# Altium PCB SFPP.PcbDoc (part 1 of 4) (continued)
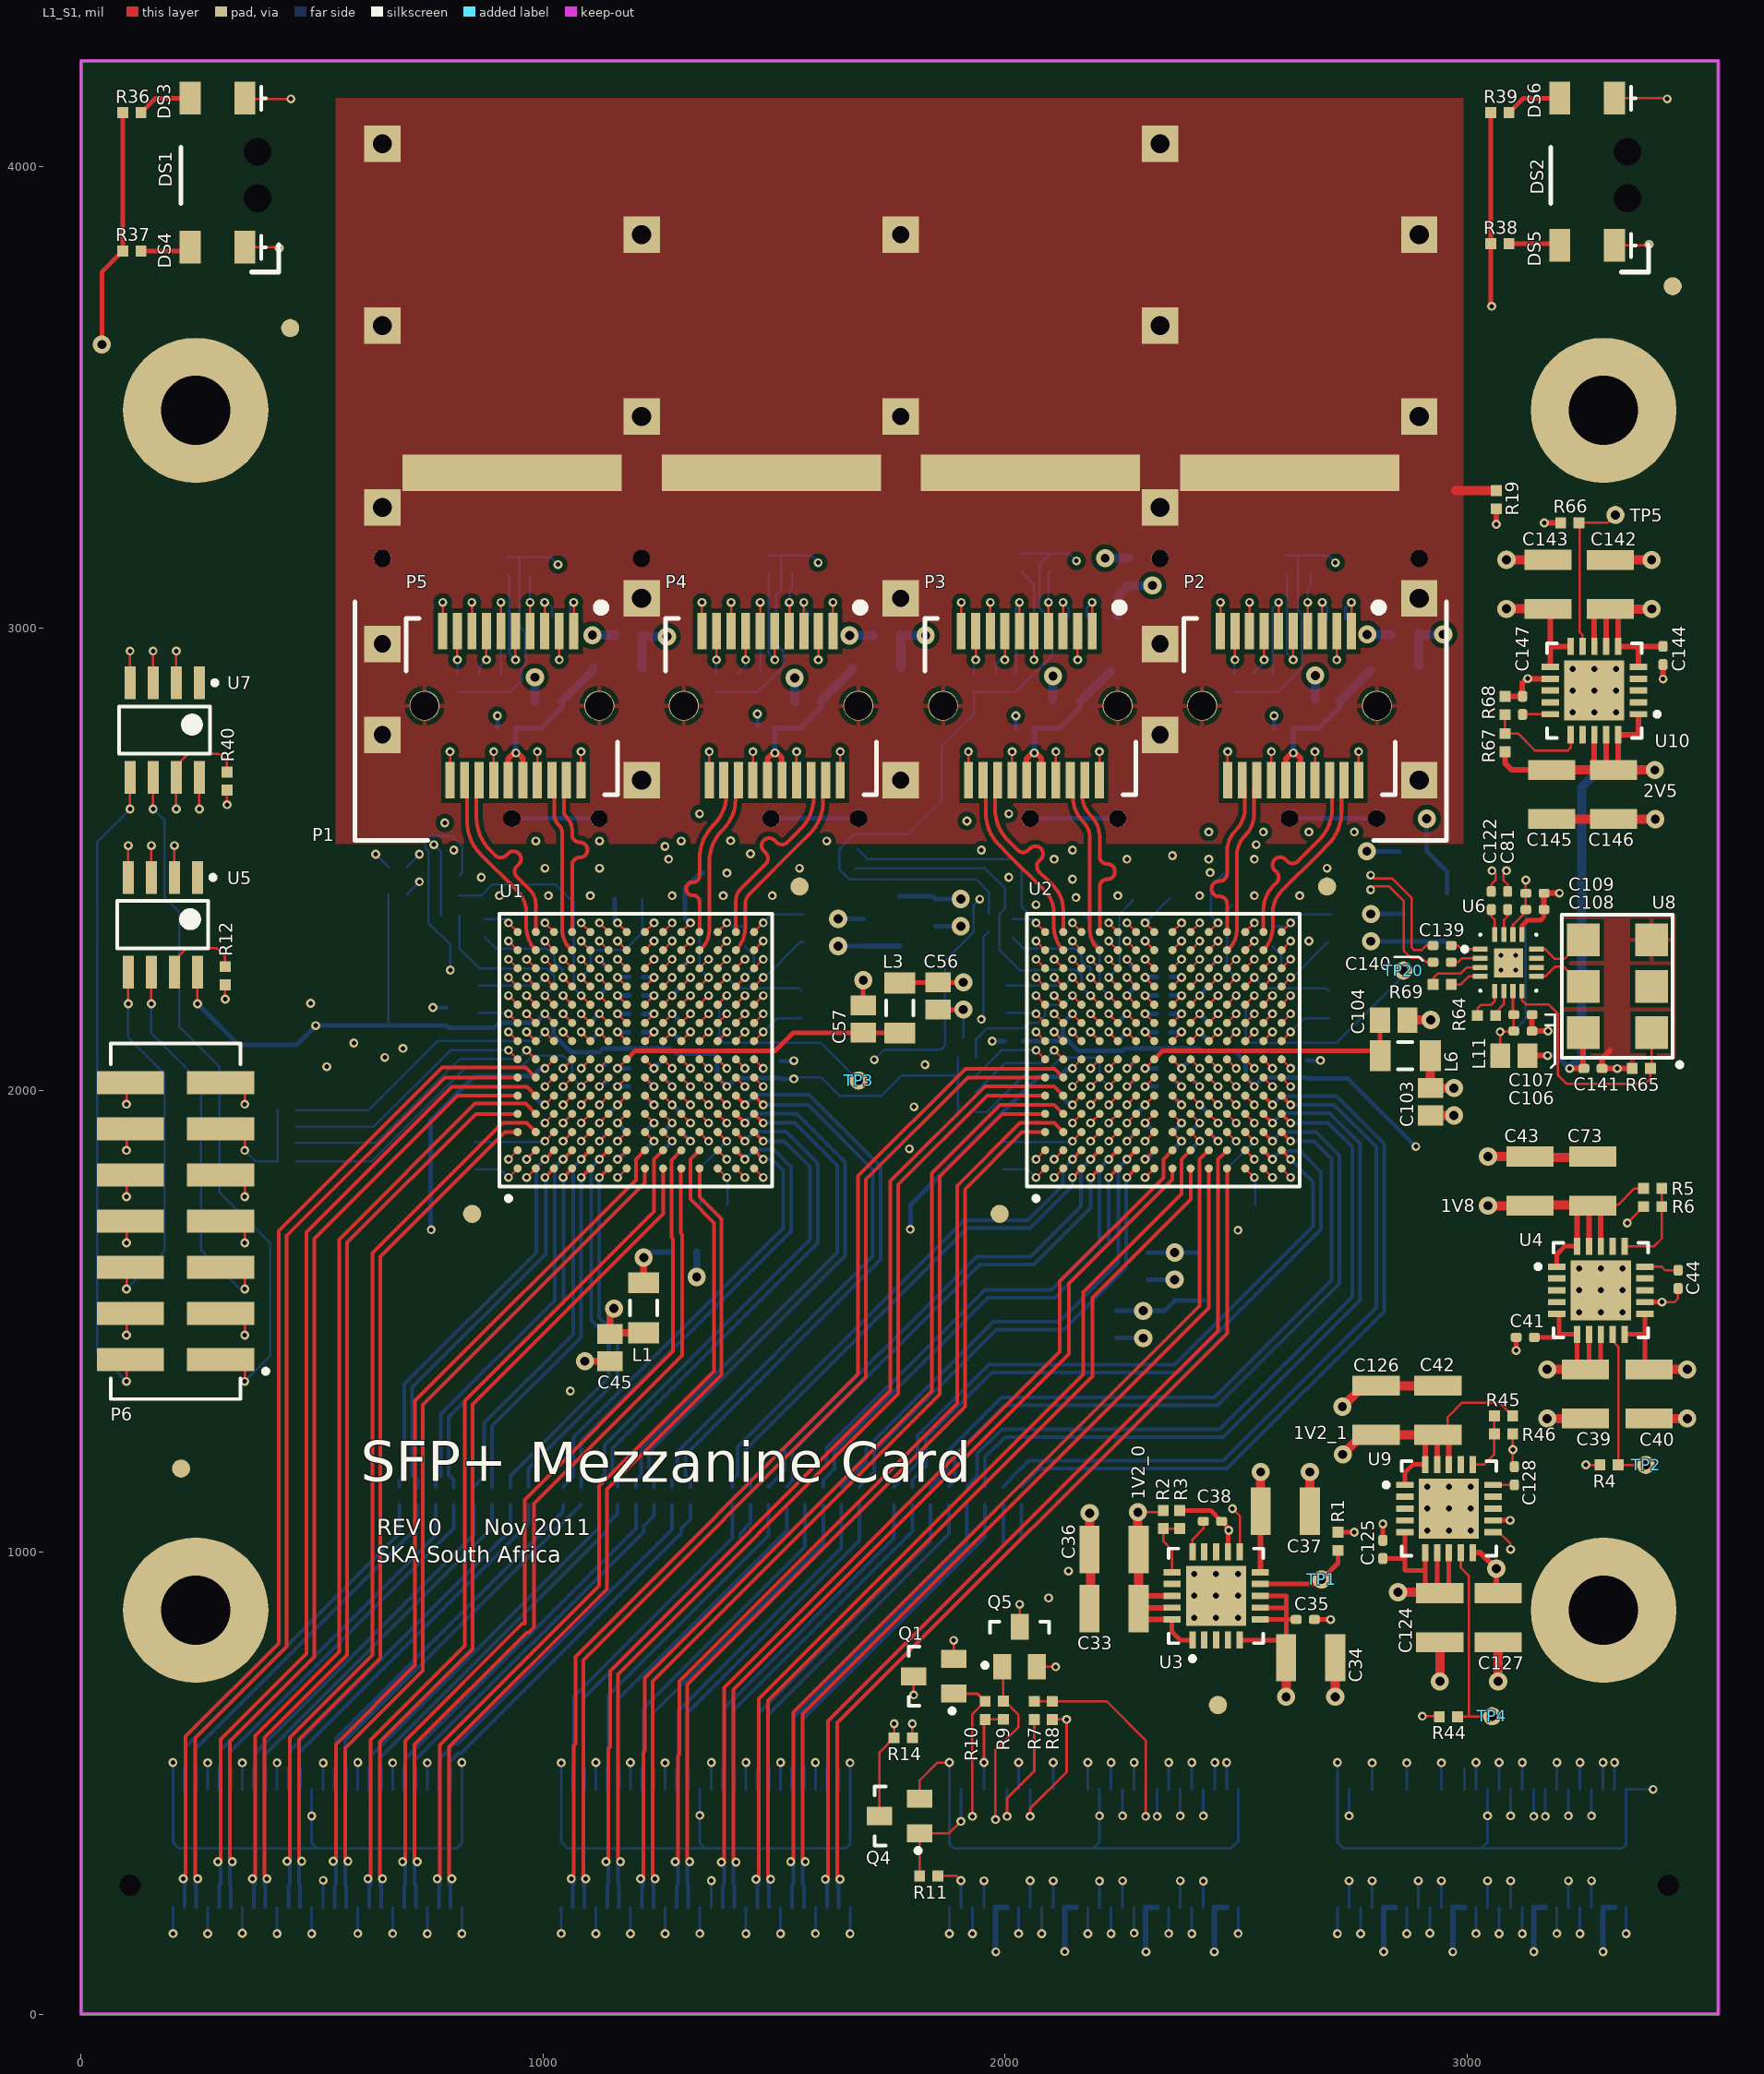
[diagram p0: L1_S1 view]
## Components (designator, comment, footprint, x,y, rotation, side; value= is the part's Value field where it differs from the comment) (continued)
P4 "74441-0001" MOLEX_74441-0001 1643.18,2670.87 r180 top locked
P5 "74441-0001" MOLEX_74441-0001 1082.16,2670.87 r180 top locked
P6 "TSM-107-01-TM-DV-P" SAMTEC_TSM-107-01-TM-DV-P 204.72,1716.54 r90 top locked
Q1 "BSS138" SOT95P245X110-3N 1845.37,731.47 r180 top
Q4 "BSS138" SOT95P245X110-3N 1771.65,429.13 r180 top
Q5 "BSS138" SOT95P245X110-3N 2031.5,795.28 r90 top
R1 "10K" RESC1005X40L 2720.47,1023.62 r90 top
R2 "2K49" RESC1005X40L 2342.52,1070.87 r90 top
R3 "4K99" RESC1005X40L 2377.95,1070.87 r270 top
R4 "10K" RESC1005X40L 3307.09,1188.98 r180 top
R5 "3k57" RESC1005X40L 3401.57,1787.4 r180 top
R6 "2k87" RESC1005X40L 3401.57,1748.03 r0 top
R7 "3K3" RESC1005X40L 2062.99,657.48 r90 top
R8 "3K3" RESC1005X40L 2102.36,657.48 r90 top
R9 "3K3" RESC1005X40L 1996,658 r90 top
R10 "3K3" RESC1005X40L 1956.69,657.48 r90 top
R11 "3K3" RESC1005X40L 1834.65,299.21 r180 top
R12 "3K3" RESC1005X40L 312.02,2247.97 r90 top
R13 "3K3" RESC1005X40L 1889.76,2114.17 r180 bottom
R14 "3K3" RESC1005X40L 1779.53,598.43 r0 top
R15 "3K3" RESC1005X40L 685.04,2423.5 r180 bottom
R16 "3K3" RESC1005X40L 444.88,1885.83 r180 bottom
R17 "3K3" RESC1005X40L 444.88,1921.26 r180 bottom
R18 "3K3" RESC1005X40L 685.04,2483.06 r0 bottom
R19 "0R" RESC1005X40L 3063,3278 r270 top
R20 "3K3" RESC1005X40L 1933.07,2881.89 r270 bottom
R21 "3K3" RESC1005X40L 1980.32,2881.89 r270 bottom
R22 "3K3" RESC1005X40L 2496.06,2881.89 r270 bottom
R23 "3K3" RESC1005X40L 2535.43,2881.89 r270 bottom
R24 "3K3" RESC1005X40L 2023.62,2881.89 r270 bottom
R25 "3K3" RESC1005X40L 2578.74,2881.89 r270 bottom
R26 "3K3" RESC1005X40L 2157.48,3023.62 r180 bottom
R27 "3K3" RESC1005X40L 2716.54,3019.69 r180 bottom
R28 "3K3" RESC1005X40L 1374.02,2881.89 r270 bottom
R29 "3K3" RESC1005X40L 1421.26,2881.89 r270 bottom
R30 "3K3" RESC1005X40L 814.96,2881.89 r270 bottom
R31 "3K3" RESC1005X40L 862.2,2881.89 r270 bottom
R32 "3K3" RESC1005X40L 1468.5,2885.83 r270 bottom
R33 "3K3" RESC1005X40L 909.45,2881.89 r270 bottom
R34 "3K3" RESC1005X40L 1598.43,3027.56 r180 bottom
R35 "3K3" RESC1005X40L 1039.37,3023.62 r180 bottom
R36 "200R" RESC1005X40L 110.24,4115.75 r180 top
R37 "200R" RESC1005X40L 110.24,3816.54 r180 top
R38 "200R" RESC1005X40L 3070.87,3832.28 r180 top
R39 "200R" RESC1005X40L 3070.87,4115.75 r180 top
R40 "3K3" RESC1005X40L 316,2669 r90 top
R41 "3K3" RESC1005X40L 976.38,3133.86 r90 bottom
R42 "3K3" RESC1005X40L 925.2,3133.86 r90 bottom
R43 "3K3" RESC1005X40L 1539.37,3137.8 r90 bottom
R44 "10K" RESC1005X40L 2959.48,644 r180 top
R45 "2K49" RESC1005X40L 3078.74,1295.28 r0 top
R46 "4K99" RESC1005X40L 3078.74,1255.91 r180 top
R47 "3K3" RESC1005X40L 1488.19,3137.8 r90 bottom
R48 "3K3" RESC1005X40L 2098.43,3141.73 r90 bottom
R49 "3K3" RESC1005X40L 2035.43,3141.73 r90 bottom
R50 "3K3" RESC1005X40L 2661.42,3137.8 r90 bottom
R51 "3K3" RESC1005X40L 2606.3,3137.8 r90 bottom
R52 "3K3" RESC1005X40L 799.21,2377.95 r180 bottom
R53 "3K3" RESC1005X40L 799.21,2464.57 r180 bottom
R54 "3K3" RESC1005X40L 444.88,1956.69 r180 bottom
R55 "3K3" RESC1005X40L 799.21,2421.26 r180 bottom
R56 "3K3" RESC1005X40L 444.88,1846.46 r180 bottom
R57 "3K3" RESC1005X40L 1917.32,1988.19 r180 bottom
R58 "3K3" RESC1005X40L 1917.32,2031.5 r180 bottom
R59 "3K3" RESC1005X40L 1917.32,2070.87 r180 bottom
R60 "3K3" RESC1005X40L 1660.73,2478.69 r180 bottom
R61 "3K3" RESC1005X40L 1964.57,2362.2 r90 bottom
R62 "3K3" RESC1005X40L 1660.73,2522 r180 bottom
R63 "3K3" RESC1005X40L 1917.32,1944.88 r180 bottom
R64 "100R" RESC1005X40L 3042.01,2161.57 r180 top
R65 "0R" RESC1005X40L 3377,2047 r0 top
R66 "10K" RESC1005X40L 3222,3228 r180 top
R67 "3k57" RESC1005X40L 3082,2752.43 r270 top
R68 "2k87" RESC1005X40L 3082,2832.43 r270 top
R69 "100R" RESC1005X40L 2946,2229 r180 top
TP1 "Testpoint" TP100 2685.04,940.94 r0 top
TP2 "Testpoint" TP100 3387,1189 r0 top
TP3 "Testpoint" TP100 1683,2021 r0 top
TP4 "Testpoint" TP100 3054,645 r0 top
TP5 "Testpoint" TP100 3321,3245 r90 top
TP20 "Testpoint" TP100 2862,2259 r0 top
U1 "VSC8488XJU" BGA196C100P14X14_1500X1500X140 1200.79,2086.61 r90 top locked
U2 "VSC8488XJU" BGA196C100P14X14_1500X1500X140 2342.52,2086.61 r90 top locked
U3 "TPS74401" VQFN20 2456.69,905.51 r90 top locked
U4 "TPS74401" VQFN20 3289.37,1566.93 r0 top
U5 "AT24C1024BN" SOIC150-8_N 177.17,2358.27 r270 top
U6 "SY89832UMI" MLF-16 3089.25,2275.75 r0 top
U7 "AT24C1024BN" SOIC150-8_N 181.1,2779.53 r270 top
U8 "CCLD-023-25-156.250" CCLD-023X-XX-XXX_XXX 3325,2225 r90 top
U9 "TPS74401" VQFN20 2960.63,1094.49 r0 top
U10 "TPS74401" VQFN20 3275.32,2865 r180 top

## Footprints (in the part's own frame and the unit in brackets; to place one, negate y for a bottom-side part, rotate by r counter-clockwise, add the part's x,y. Pads: shape width x height; smd on the part's side, far side on the other; paste and mask are expansions set on the pad)
BGA196C100P14X14_1500X1500X140 [mm] "BGA, 196-Leads, Body 15.0x15.0mm,  Pitch 1.00mm"
  round 0.45 smd: A1(-6.5,6.5) A2(-5.5,6.5) A3(-4.5,6.5) A4(-3.5,6.5) A5(-2.5,6.5) A6(-1.5,6.5) A7(-0.5,6.5) A8(0.5,6.5) A9(1.5,6.5) A10(2.5,6.5) A11(3.5,6.5) A12(4.5,6.5) A13(5.5,6.5) A14(6.5,6.5) B1(-6.5,5.5) B2(-5.5,5.5) B3(-4.5,5.5) B4(-3.5,5.5) B5(-2.5,5.5) B6(-1.5,5.5) B7(-0.5,5.5) B8(0.5,5.5) B9(1.5,5.5) B10(2.5,5.5) B11(3.5,5.5) B12(4.5,5.5) B13(5.5,5.5) B14(6.5,5.5) C1(-6.5,4.5) C2(-5.5,4.5) C3(-4.5,4.5) C4(-3.5,4.5) C5(-2.5,4.5) C6(-1.5,4.5) C7(-0.5,4.5) C8(0.5,4.5) C9(1.5,4.5) C10(2.5,4.5) C11(3.5,4.5) C12(4.5,4.5) C13(5.5,4.5) C14(6.5,4.5) D1(-6.5,3.5) D2(-5.5,3.5) D3(-4.5,3.5) D4(-3.5,3.5) D5(-2.5,3.5) D6(-1.5,3.5) D7(-0.5,3.5) D8(0.5,3.5) D9(1.5,3.5) D10(2.5,3.5) D11(3.5,3.5) D12(4.5,3.5) D13(5.5,3.5) D14(6.5,3.5) E1(-6.5,2.5) E2(-5.5,2.5) E3(-4.5,2.5) E4(-3.5,2.5) E5(-2.5,2.5) E6(-1.5,2.5) E7(-0.5,2.5) E8(0.5,2.5) E9(1.5,2.5) E10(2.5,2.5) E11(3.5,2.5) E12(4.5,2.5) E13(5.5,2.5) E14(6.5,2.5) F1(-6.5,1.5) F2(-5.5,1.5) F3(-4.5,1.5) F4(-3.5,1.5) F5(-2.5,1.5) F6(-1.5,1.5) F7(-0.5,1.5) F8(0.5,1.5) F9(1.5,1.5) F10(2.5,1.5) F11(3.5,1.5) F12(4.5,1.5) F13(5.5,1.5) F14(6.5,1.5) G1(-6.5,0.5) G2(-5.5,0.5) G3(-4.5,0.5) G4(-3.5,0.5) G5(-2.5,0.5) G6(-1.5,0.5) G7(-0.5,0.5) G8(0.5,0.5) G9(1.5,0.5) G10(2.5,0.5) G11(3.5,0.5) G12(4.5,0.5) G13(5.5,0.5) G14(6.5,0.5) H1(-6.5,-0.5) H2(-5.5,-0.5) H3(-4.5,-0.5) H4(-3.5,-0.5) H5(-2.5,-0.5) H6(-1.5,-0.5) H7(-0.5,-0.5) H8(0.5,-0.5) H9(1.5,-0.5) H10(2.5,-0.5) H11(3.5,-0.5) H12(4.5,-0.5) H13(5.5,-0.5) H14(6.5,-0.5) J1(-6.5,-1.5) J2(-5.5,-1.5) J3(-4.5,-1.5) J4(-3.5,-1.5) J5(-2.5,-1.5) J6(-1.5,-1.5) J7(-0.5,-1.5) J8(0.5,-1.5) J9(1.5,-1.5) J10(2.5,-1.5) J11(3.5,-1.5) J12(4.5,-1.5) J13(5.5,-1.5) J14(6.5,-1.5) K1(-6.5,-2.5) K2(-5.5,-2.5) K3(-4.5,-2.5) K4(-3.5,-2.5) K5(-2.5,-2.5) K6(-1.5,-2.5) K7(-0.5,-2.5) K8(0.5,-2.5) K9(1.5,-2.5) K10(2.5,-2.5) K11(3.5,-2.5) K12(4.5,-2.5) K13(5.5,-2.5) K14(6.5,-2.5) L1(-6.5,-3.5) L2(-5.5,-3.5) L3(-4.5,-3.5) L4(-3.5,-3.5) L5(-2.5,-3.5) L6(-1.5,-3.5) L7(-0.5,-3.5) L8(0.5,-3.5) L9(1.5,-3.5) L10(2.5,-3.5) L11(3.5,-3.5) L12(4.5,-3.5) L13(5.5,-3.5) L14(6.5,-3.5) M1(-6.5,-4.5) M2(-5.5,-4.5) M3(-4.5,-4.5) M4(-3.5,-4.5) M5(-2.5,-4.5) M6(-1.5,-4.5) M7(-0.5,-4.5) M8(0.5,-4.5) M9(1.5,-4.5) M10(2.5,-4.5) M11(3.5,-4.5) M12(4.5,-4.5) M13(5.5,-4.5) M14(6.5,-4.5) N1(-6.5,-5.5) N2(-5.5,-5.5) N3(-4.5,-5.5) N4(-3.5,-5.5) N5(-2.5,-5.5) N6(-1.5,-5.5) N7(-0.5,-5.5) N8(0.5,-5.5) N9(1.5,-5.5) N10(2.5,-5.5) N11(3.5,-5.5) N12(4.5,-5.5) N13(5.5,-5.5) N14(6.5,-5.5) P1(-6.5,-6.5) P2(-5.5,-6.5) P3(-4.5,-6.5) P4(-3.5,-6.5) P5(-2.5,-6.5) P6(-1.5,-6.5) P7(-0.5,-6.5) P8(0.5,-6.5) P9(1.5,-6.5) P10(2.5,-6.5) P11(3.5,-6.5) P12(4.5,-6.5) P13(5.5,-6.5) P14(6.5,-6.5)
  round 1 smd paste-1 mask+0.5: FU1(-9,9) FU1(9,-9)
  silkscreen extent -8.27,-7.5 7.5,7.5, body extent -7.6,-7.5 7.5,7.6, height 1.42
CAPC1005X55L [mm] "Chip Capacitor, Body 1.0x0.5mm, IPC High Density"
  rrect50% 0.6x0.5 smd: 1(-0.5,0) 2(0.5,0)
  body extent -0.5,-0.25 0.5,0.25, height 0.48
CAPC1005X60L [mm] "Chip Capacitor, Body 1.0x0.5mm, IPC High Density"
  rrect50% 0.6x0.5 smd: 1(-0.5,0) 2(0.5,0)
  body extent -0.5,-0.25 0.5,0.25, height 0.49
CAPC2012X127L [mm] "Chip Capacitor, Body 2.0x1.3mm, IPC High Density"
  rect 1.1x1.4 smd: 1(-0.75,0) 2(0.75,0)
  body extent -1,-0.61 1,0.64, height 0.78
CAPC3225X200L [mm] "Chip Capacitor, Body 3.2x2.5mm, IPC High Density"
  rect 1.1x2.6 smd: 1(-1.35,0) 2(1.35,0)
  body extent -1.6,-1.25 1.6,1.25, height 2.5
CAPC3225X270L [mm] "Chip Capacitor, Body 3.2x2.5mm, IPC High Density"
  rect 1.1x2.6 smd: 1(-1.35,0) 2(1.35,0)
  body extent -1.6,-1.24 1.6,1.26, height 2.5
CCLD-023X-XX-XXX_XXX [mm] "Crystek CCLD-023 Series Clock Oscillators"
  rect 1.8x1.8 smd: 1(-2.54,-1.875) 2(0,-1.875) 3(2.54,-1.875) 4(2.54,1.875) 5(0,1.875) 6(-2.54,1.875)
  silkscreen extent -4.44,-3.55 3.94,3.05, body extent -3.56,-2.54 3.56,2.54, height 1.8
DIALIGHT_515-1094F [mm]
  round 1.473 hole 1.524 unplated: 1(0,0) 2(0,-2.54)
  rect 1.7x1.48 on Mech13: M1(0.725,-5.07) M1(3.7,2.55) M2(0.725,2.55) M2(3.7,-5.07)
  silkscreen extent -1.17,-2.8 4.2,4.06, body extent -0.76,-14.22 3.81,3.56, height 0.29
INDC2012X130L [mm] "Chip Inductor, 2-Leads, Body 2.0x1.3mm, IPC High Density"
  rect 1.1x1.35 smd: 1(-0.75,0) 2(0.75,0)
  body extent -1.1,-0.72 1.1,0.72, height 1.3
INDC3216X130L [mm] "Chip Inductor, 2-Leads, Body 3.2x1.6mm, IPC High Density"
  rect 1.15x1.7 smd: 1(-1.375,0) 2(1.375,0)
  silkscreen extent -0.4,-0.75 0.4,0.75, body extent -1.7,-0.9 1.7,0.9, height 1.3
LEDC3216X120N [mm] "LED Chip, 3.2mm x 1.6mm"
  rect 1.15x1.8 smd: 1(-1.5,0) 2(1.5,0)
  silkscreen extent -2.67,-0.64 -2.41,0.63, body extent -1.52,-0.89 1.52,0.89, height 1.2
MLF-16 [mm]
  rect 0.8x0.28 smd: 1(-1.55,0.75) 2(-1.55,0.25) 3(-1.55,-0.25) 4(-1.55,-0.75) 9(1.55,-0.75) 10(1.55,-0.25) 11(1.55,0.25) 12(1.55,0.75)
  rect 0.28x0.8 smd: 5(-0.75,-1.55) 6(-0.25,-1.55) 7(0.25,-1.55) 8(0.75,-1.55) 13(0.75,1.55) 14(0.25,1.55) 15(-0.25,1.55) 16(-0.75,1.55)
  rect 1.6x1.6 smd paste-0.24: 17(0,0)
  silkscreen extent -2.52,-1.55 1.55,1.55, body extent -1.52,-1.53 1.53,1.52, height 0.85
MOLEX_74441-0001 [mm]
  rect 0.5x2 smd: 1(0.4,-8.2) 2(1.2,-8.2) 3(2,-8.2) 4(2.8,-8.2) 5(3.6,-8.2) 6(4.4,-8.2) 7(5.2,-8.2) 8(6,-8.2) 9(6.8,-8.2) 10(7.6,-8.2) 11(7.2,0) 12(6.4,0) 13(5.6,0) 14(4.8,0) 15(4,0) 16(3.2,0) 17(2.4,0) 18(1.6,0) 19(0.8,0) 20(0,0)
  round 1.65 hole 1.55: M1(-1,-4.1) M2(8.6,-4.1)
  silkscreen extent -2,-9.7 9.6,0.8, body extent -1.67,-8.64 9.33,0.51, height 5.42
MOLEX_0747540420 [mm]
  rect 2x2 hole 1.05: 1(-43.75,-9.5) 2(-43.75,-19.5) 3(-43.75,-29.5) 4(-43.75,-39.5) 5(-58,-4.5) 6(-58,-14.5) 7(-58,-24.5) 14(-1,-9.5) 15(-1,-19.5) 16(-1,-29.5) 17(-1,-39.5) 18(-15.25,-4.5) 19(-15.25,-14.5) 20(-15.25,-24.5)
  rect 2x2 hole 0.95: 8(-58,-32) 9(-58,-37) 10(-29.5,-9.5) 11(-29.5,-19.5) 12(-29.5,-29.5) 13(-29.5,-39.5) 21(-15.25,-32) 22(-15.25,-37)
  round 0.95 hole 0.95: 23(-15.25,-27.3) 24(-17.58,-41.6) 25(-1,-27.3) 26(-22.38,-41.6) 27(-3.33,-41.6) 28(-31.83,-41.6) 29(-36.63,-41.6) 30(-43.75,-27.3) 31(-46.08,-41.6) 32(-50.88,-41.6) 33(-58,-27.3) 34(-8.13,-41.6)
  rect 12.05x2 smd: G1(-8.12,-22.6) G3(-36.62,-22.6)
  rect 12.05x2 smd mask-0.025: G2(-22.37,-22.6) G4(-50.875,-22.6)
  round 1.55 on Mech13: R1(-55.68,-35.4) R1(-46.08,-35.4) R1(-41.43,-35.4) R1(-31.83,-35.4) R1(-27.18,-35.4) R1(-17.58,-35.4) R1(-12.93,-35.4) R1(-3.33,-35.4)
  Mechanical 14 keep-out lines w0.254: -59,-42.308 -59,-0.008 0,-0.008 0,-42.308 -4.9,-42.308 -4.9,-41.308 -2,-41.308 -2,-26.808 -14.25,-26.808 -14.25,-41.308 -11.375,-41.308 -11.375,-42.308 -19.175,-42.308 -19.175,-41.308 -16.25,-41.308 -16.25,-26.808 -28.525,-26.808 -28.525,-41.308 -25.625,-41.308 -25.625,-42.308 -33.4,-42.308 -33.4,-41.308 -30.5,-41.308 -30.5,-26.808 -42.75,-26.808 -42.75,-41.308 -39.875,-41.308 -39.875,-42.308 -47.65,-42.308 -47.65,-41.308 -44.75,-41.308 -44.75,-26.808 -57,-26.808 -57,-41.308 -54.125,-41.308 -54.125,-42.308 -59,-42.308
  silkscreen extent -59.5,-42.8 0.5,-29.7, body extent -60.56,-42.22 1.56,7.01, height 12.34
RESC1005X40L [mm] "Chip Resistor, Body 1.1x0.5mm, IPC High Density"
  rect 0.6x0.6 smd: 1(-0.5,0) 2(0.5,0)
  body extent -0.5,-0.3 0.5,0.3, height 0.2
SAMTEC_QFSS-064-04.25-L-D-DP-A [mil] "SAMTEC, 64-pair, QFFS-DP Series Connector"
  rect 16x85 smd: A1(1546.71,-127.5) A2(1521.71,-127.5) A3(1471.71,-127.5) A4(1446.71,-127.5) A5(1396.71,-127.5) A6(1371.71,-127.5) A7(1321.71,-127.5) A8(1296.71,-127.5) A9(1221.71,-127.5) A10(1196.71,-127.5) A11(1146.71,-127.5) A12(1121.71,-127.5) A13(1071.71,-127.5) A14(1046.71,-127.5) A15(996.71,-127.5) A16(971.71,-127.5) A17(1546.71,127.5) A18(1521.71,127.5) A19(1471.71,127.5) A20(1446.71,127.5) A21(1396.71,127.5) A22(1371.71,127.5) A23(1321.71,127.5) A24(1296.71,127.5) A25(1221.71,127.5) A26(1196.71,127.5) A27(1146.71,127.5) A28(1121.71,127.5) A29(1071.71,127.5) A30(1046.71,127.5) A31(996.71,127.5) A32(971.71,127.5) AG1(1571.71,-127.5) AG2(1496.71,-127.5) AG3(1421.71,-127.5) AG4(1346.71,-127.5) AG5(1271.71,-127.5) AG6(1246.71,-127.5) AG7(1171.71,-127.5) AG8(1096.71,-127.5) AG9(1021.71,-127.5) AG10(946.71,-127.5) AG11(1571.71,127.5) AG12(1496.71,127.5) AG13(1421.71,127.5) AG14(1346.71,127.5) AG15(1271.71,127.5) AG16(1246.71,127.5) AG17(1171.71,127.5) AG18(1096.71,127.5) AG19(1021.71,127.5) AG20(946.71,127.5) B1(706.71,-127.5) B2(681.71,-127.5) B3(631.71,-127.5) B4(606.71,-127.5) B5(556.71,-127.5) B6(531.71,-127.5) B7(481.71,-127.5) B8(456.71,-127.5) B9(381.71,-127.5) B10(356.71,-127.5) B11(306.71,-127.5) B12(281.71,-127.5) B13(231.71,-127.5) B14(206.71,-127.5) B15(156.71,-127.5) B16(131.71,-127.5) B17(706.71,127.5) B18(681.71,127.5) B19(631.71,127.5) B20(606.71,127.5) B21(556.71,127.5) B22(531.71,127.5) B23(481.71,127.5) B24(456.71,127.5) B25(381.71,127.5) B26(356.71,127.5) B27(306.71,127.5) B28(281.71,127.5) B29(231.71,127.5) B30(206.71,127.5) B31(156.71,127.5) B32(131.71,127.5) BG1(731.71,-127.5) BG2(656.71,-127.5) BG3(581.71,-127.5) BG4(506.71,-127.5) BG5(431.71,-127.5) BG6(406.71,-127.5) BG7(331.71,-127.5) BG8(256.71,-127.5) BG9(181.71,-127.5) BG10(106.71,-127.5) BG11(731.71,127.5) BG12(656.71,127.5) BG13(581.71,127.5) BG14(506.71,127.5) BG15(431.71,127.5) BG16(406.71,127.5) BG17(331.71,127.5) BG18(256.71,127.5) BG19(181.71,127.5) BG20(106.71,127.5) C1(-133.29,-127.5) C2(-158.29,-127.5) C3(-208.29,-127.5) C4(-233.29,-127.5) C5(-283.29,-127.5) C6(-308.29,-127.5) C7(-358.29,-127.5) C8(-383.29,-127.5) C9(-458.29,-127.5) C10(-483.29,-127.5) C11(-533.29,-127.5) C12(-558.29,-127.5) C13(-608.29,-127.5) C14(-633.29,-127.5) C15(-683.29,-127.5) C16(-708.29,-127.5) C17(-133.29,127.5) C18(-158.29,127.5) C19(-208.29,127.5) C20(-233.29,127.5) C21(-283.29,127.5) C22(-308.29,127.5) C23(-358.29,127.5) C24(-383.29,127.5) C25(-458.29,127.5) C26(-483.29,127.5) C27(-533.29,127.5) C28(-558.29,127.5) C29(-608.29,127.5) C30(-633.29,127.5) C31(-683.29,127.5) C32(-708.29,127.5) CG1(-108.29,-127.5) CG2(-183.29,-127.5) CG3(-258.29,-127.5) CG4(-333.29,-127.5) CG5(-408.29,-127.5) CG6(-433.29,-127.5) CG7(-508.29,-127.5) CG8(-583.29,-127.5) CG9(-658.29,-127.5) CG10(-733.29,-127.5) CG11(-108.29,127.5) CG12(-183.29,127.5) CG13(-258.29,127.5) CG14(-333.29,127.5) CG15(-408.29,127.5) CG16(-433.29,127.5) CG17(-508.29,127.5) CG18(-583.29,127.5) CG19(-658.29,127.5) CG20(-733.29,127.5) D1(-973.29,-127.5) D2(-998.29,-127.5) D3(-1048.29,-127.5) D4(-1073.29,-127.5) D5(-1123.29,-127.5) D6(-1148.29,-127.5) D7(-1198.29,-127.5) D8(-1223.29,-127.5) D9(-1298.29,-127.5) D10(-1323.29,-127.5) D11(-1373.29,-127.5) D12(-1398.29,-127.5) D13(-1448.29,-127.5) D14(-1473.29,-127.5) D15(-1523.29,-127.5) D16(-1548.29,-127.5) D17(-973.29,127.5) D18(-998.29,127.5) D19(-1048.29,127.5) D20(-1073.29,127.5) D21(-1123.29,127.5) D22(-1148.29,127.5) D23(-1198.29,127.5) D24(-1223.29,127.5) D25(-1298.29,127.5) D26(-1323.29,127.5) D27(-1373.29,127.5) D28(-1398.29,127.5) D29(-1448.29,127.5) D30(-1473.29,127.5) D31(-1523.29,127.5) D32(-1548.29,127.5) DG1(-948.29,-127.5) DG2(-1023.29,-127.5) DG3(-1098.29,-127.5) DG4(-1173.29,-127.5) DG5(-1248.29,-127.5) DG6(-1273.29,-127.5) DG7(-1348.29,-127.5) DG8(-1423.29,-127.5) DG9(-1498.29,-127.5) DG10(-1573.29,-127.5) DG11(-948.29,127.5) DG12(-1023.29,127.5) DG13(-1098.29,127.5) DG14(-1173.29,127.5) DG15(-1248.29,127.5) DG16(-1273.29,127.5) DG17(-1348.29,127.5) DG18(-1423.29,127.5) DG19(-1498.29,127.5) DG20(-1573.29,127.5)
  rect 710x20 smd: AGND(1260,0) BGND(420,0) CGND(-420,0) DGND(-1260,0)
  round 0 hole 46 unplated: M1(1665,-80) M2(-1665,-80)
  silkscreen extent -1720,-235 1720,200, body extent -1701,-162 1699,158, height 348
SAMTEC_TSM-107-01-TM-DV-P [mm] "SOT23, 3-Leads, Body 3.0x2.6mm (max), Pitch 0.95mm, IPC Medium Density"
  rect 1.27x3.68 smd: 1(-7.62,-2.475) 2(-7.62,2.475) 3(-5.08,-2.475) 4(-5.08,2.475) 5(-2.54,-2.475) 6(-2.54,2.475) 7(0,-2.475) 8(0,2.475) 9(2.54,-2.475) 10(2.54,2.475) 11(5.08,-2.475) 12(5.08,2.475) 13(7.62,-2.475) 14(7.62,2.475)
  silkscreen extent -9.78,-5.08 9.78,3.56, body extent -9.02,-3.68 8.76,3.68, height 9.71
SOIC150-8_N [mm] "8-Pin Plastic Narrow Body Small Outline Integrated Circuit 1.27 mm Pitch, IPC Medium Density"
  rect 1.8x0.6 smd: 1(-2.6,1.905) 2(-2.6,0.635) 3(-2.6,-0.635) 4(-2.6,-1.905) 5(2.6,-1.905) 6(2.6,-0.635) 7(2.6,0.635) 8(2.6,1.905)
  silkscreen extent -2.72,-2.5 1.3,2.88, body extent -3.01,-2.5 3.01,2.5, height 1.75
SOT95P245X110-3N [mm] "SOT23, 3-Leads, Body 3.0x2.6mm (max), Pitch 0.95mm, IPC Medium Density"
  rect 1.4x1 smd: 1(-1.1,0.95) 2(-1.1,-0.95) 3(1.1,0)
  silkscreen extent -1.14,-1.63 1.37,2.03, body extent -1.38,-1.5 1.12,1.5, height 1.05
TP100 [mm] "1.00mm Diameter, Circular Test-point"
  round 1 hole 0.5: 1(0,0)
  body extent -0.5,-0.5 0.5,0.5, height 0.02
VQFN20 [mm]
  rect 0.95x0.35 smd: 1(-2.425,1.3) 2(-2.425,0.65) 3(-2.425,0) 4(-2.425,-0.65) 5(-2.425,-1.3) 11(2.425,-1.3) 12(2.425,-0.65) 13(2.425,0) 14(2.425,0.65) 15(2.425,1.3)
  rect 0.35x0.95 smd: 6(-1.3,-2.425) 7(-0.65,-2.425) 8(0,-2.425) 9(0.65,-2.425) 10(1.3,-2.425) 16(1.3,2.425) 17(0.65,2.425) 18(0,2.425) 19(-0.65,2.425) 20(-1.3,2.425)
  rect 3.3x3.3 smd paste-0.495: 21(0,0)
  silkscreen extent -3.57,-2.6 2.6,2.6, body extent -2.49,-2.49 2.51,2.51, height 0.77

## Part data
C1 C2 C3 C4 C5 C6 C7 C8 C9 C10 C11 C12 C13 C14 C15 C16 C17 C18 C19 C20 C21 C22 C23 C24 C25 C26 C27 C28 C29 C30 C31 C32 C35 C41 C49 C50 C51 C52 C53 C54 C55 C59 C60 C62 C63 C64 C65 C66 C67 C68 C69 C70 C79 C80 C82 C85 C86 C87 C88 C89 C90 C91 C92 C93 C96 C97 C98 C99 C100 C101 C102 C105 C106 C108 C110 C111 C114 C120 C121 C125 C129 C130 C131 C133 C136 C141 C144: library part CAP-CER-1, "0.1uF, Ceramic Capacitor"
C33 C42 C73 C145: library part CAP-CER-13, "100uF, 1210, Ceramic Capacitor"
C34 C36 C37 C39 C40 C43 C124 C126 C127 C142 C143 C146: library part CAP-CER-5, "10uF, Ceramic Capacitor"
C38 C44 C81 C122 C128 C139 C140 C147: library part CAP-CER-6, "0.01uF, Ceramic Capacitor"
C45 C46 C47 C48 C56 C57 C58 C61 C83 C84 C94 C95 C103 C104 C123 C132 C134 C135 C137 C138: library part CAP-CER-3, "4.7uF, Ceramic Capacitor"
C71 C72 C74 C75 C76 C77 C78 C112 C113 C115 C116 C117 C118 C119: library part CAP-CER-8, "1uF, Ceramic Capacitor"
C107 C109: library part CAP-CER-4, "1000pF, Ceramic Capacitor"
DS1 DS2: library part OPTO-LPIPE-1, "2-High, press-fit, 3mm round, light-pipe"
DS3 DS4 DS5 DS6: library part OPTO-LED-0, "Green, Surface mount, LED, 1206"
J1: library part CONN-PCB-19, "Shielded, 64-Differential Pair, Rugged High-Speed Terminal Strip, 0.635mm Pitch"
L1 L2 L3 L4 L5 L6 L7 L8 L9 L10: library part IND-FB-1, "120 Ohm, Chip Ferrite Brad"
L11: library part IND-FB-0, "600 Ohm, Chip Ferrite Bead"
P1: library part CONN-PCB-26, "SFP+ 1X4 Cage Assembly"
P2 P3 P4 P5: library part CONN-PCB-27, "20 Circuit, 0.8mm pitch SFP+ host connector"
P6: library part CONN-PCB-16, "2x7, 2.54 mm Pitch, Male Header"
Q1 Q4 Q5: library part TRANS-NFET-0, "N-Channel Logic Level Enhancement Mode Field Effect Transistor"
R1 R4 R44 R66: library part RES-TF-5, "10K, 1.1mm x 0.5mm, Thick Film Resistor"
R2 R45: library part RES-TF-36, "2K49, 1.1mm x 0.5mm, Thick Film Resistor"
R3 R46: library part RES-TF-13, "4K99, 1.1mm x 0.5mm, Thick Film Resistor"
R5 R67: library part RES-TF-45, "3K57, 1.1mm x 0.5mm, Thick Film Resistor"
R6 R68: library part RES-TF-46, "2K87, 1.1mm x 0.5mm, Thick Film Resistor"
R7 R8 R9 R10 R11 R12 R13 R14 R15 R16 R17 R18 R20 R21 R22 R23 R24 R25 R26 R27 R28 R29 R30 R31 R32 R33 R34 R35 R40 R41 R42 R43 R47 R48 R49 R50 R51 R52 R53 R54 R55 R56 R57 R58 R59 R60 R61 R62 R63: library part RES-TF-7, "3K3, 1.1mm x 0.5mm, Thick Film Resistor"
R19 R65: library part RES-TF-0, "0R, 1.1mm x 0.5mm, Thick Film Resistor"
R36 R37 R38 R39: library part RES-TF-19, "200R, 1.1mm x 0.5mm, Thick Film Resistor"
R64 R69: library part RES-TF-14, "100R, 1.1mm x 0.5mm, Thick Film Resistor"
TP1 TP2 TP3 TP4 TP5 TP20: library part ELMECH-TP-0, "1mm Diameter, through-hole, Circular Test-point"
U1 U2: library part IC-PHY-2, "DualChannel WAN/LAN/Backplane XAUI to SFP+/KR Transceiver"
U3 U4 U9 U10: library part IC-REG-5, "3.0A Ultra-LDO with Programmable Soft-Start"
U5 U7: library part IC-MEM-5, "1M, SOIC-8, Serial EEPROM"
U6: library part IC-LOG-14, "2.5 C Ultra-precision 1:4 LVDS Fanout Buffer/Translator with Interal Termination"
U8: library part RESN-CLK-4, "156.25 MHz, Low-Jitter Differential LVDS Clock Oscillator"

## Free pads (board coordinates)
  round 39.37 smd far side mask+19.68: 0(216.54,1181.1) 0(452.76,3649.61) 0(2460.63,669.29) 0(3444.88,3740.16)
  round 39.37 smd mask+19.68: 0(216.54,1181.1) 0(452.76,3649.61) 0(2460.63,669.29) 0(3444.88,3740.16)
  round 314.96 hole 150: 1(3295.14,874.5) 2(248.29,874.5) 3(248.29,3471.5) 4(3295.14,3471.5)

## Via types
v1: diameter 19.4, hole 10, L1_S1 to L8_S4, tented both sides, 405 vias
v2: diameter 19.4, hole 10, L1_S1 to L8_S4, 155 vias
v3: diameter 19.4, hole 10, L1_S1 to L8_S4, tented bottom, 153 vias
v4: diameter 39.37, hole 19.68, L1_S1 to L8_S4, 45 vias
v5: diameter 25.98, hole 12.99, L1_S1 to L8_S4, tented top, 36 vias
v6: diameter 39.37, hole 19.68, L1_S1 to L8_S4, tented bottom, 11 vias
v7: diameter 20, hole 10, L1_S1 to L8_S4, tented top, 4 vias
v8: diameter 39.37, hole 19.68, L1_S1 to L8_S4, tented top, 2 vias
v9: diameter 39.37, hole 19.68, L1_S1 to L8_S4, tented both sides, 1 vias
v10: diameter 19.4, hole 10, L1_S1 to L8_S4, tented top, 1 vias

## Nets (pads, with @x,y where several pads share a name; then routed paths per layer and width w, separated by ;. In a path a pad name is that pad's centre, name@x,y a point inside that pad or via, vN(x,y) a via of type N, cw(c..) or ccw(c..) an arc to the next point about the centre after c; other vN are vias at no path point)
1V2_0: C33.2 C36.2 C45.2 C53.2 C54.2 C55.2 C56.2 L1.1 L3.1 R2.2 U1.H4 U1.H5 U1.H7 U3.1 U3.18 U3.19 U3.20 | length 994.8
  L1_S1 w5: U1.H4@1220.47,1948.82 v1(1240.16,1929.13) ; U1.H5@1220.47,1988.19 v1(1240.16,1968.5) ; U1.H7@1220.47,2066.93 v1(1240.16,2047.24) ; v4(2287.4,1086.61) 2338.58,1086.61 R2.2@2342.52,1090.55
  L1_S1 w10: C45.2@1142,1473.53 C45.2@1143.34,1474.87 ; L3.1@1772,2232.13 1773.39,2233.53 C56.2@1855,2233.53 v4(1909.72,2233.53) ; U3.20@2361.22,854.33 2361.22,827.76 2378.94,810.04 U3.1@2405.51,810.04
  L1_S1 w12: C33.2@2290,905.51 U3.18@2361.22,905.51 ; C33.2@2291,879.92 U3.19@2361.22,879.92 ; C33.2@2295,854.33 U3.20@2361.22,854.33
  L1_S1 w15: C45.2@1143.34,1474.87 C45.2@1145,1474.87 ; C45.2@1145,1472.53 C45.2@1145,1474.87 ; v4(1153.54,1527.56) 1145,1519.02 C45.2@1145,1474.87 ; L1.1@1218,1474.87 C45.2@1145,1474.87
  L1_S1 w20: C36.2@2287.4,1001.97 v4(2287.4,1086.61) ; C33.2@2289.37,875.98 C36.2@2289.37,1000
  L8_S4 w10: C54.2@1220,1908.69 1240.16,1928.84 v1(1240.16,1929.13) ; C55.2@1220,1988.66 v1(1240.16,1968.5) ; v1@1239.6,2046.69 v1(1240.16,2047.24) C53.2@1260.32,2067.4
1V2_1: C42.2 C58.2 C100.2 C101.2 C102.2 C103.2 C126.2 L4.1 L6.1 R45.2 U2.H4 U2.H5 U2.H7 U9.1 U9.18 U9.19 U9.20 | length 1138.1
  L1_S1 w5: U2.H4@2362.2,1948.82 v1(2381.89,1929.13) ; U2.H5@2362.2,1988.19 v1(2381.89,1968.5) ; U2.H7@2362.2,2066.93 v1(2381.89,2047.24) ; C42.2@2960.63,1259.84 2957.68,1262.8 2957.68,1292.32 2989.35,1324 3069.7,1324 R45.2@3098.43,1295.28
  L1_S1 w10: U9.1@2865.16,1145.67 2865.16,1172.24 2882.87,1189.96 U9.20@2909.45,1189.96
  L1_S1 w12: U9.20@2909.45,1189.96 C42.2@2909.45,1256.18 ; U9.19@2935.04,1189.96 C42.2@2935.04,1259.84 ; U9.18@2960.63,1189.96 C42.2@2960.63,1259.84
  L1_S1 w19.68: L6.1@2920.61,2072.13 C103.2@2920.61,2004.53 v8(2971.54,2004.53)
  L1_S1 w20: v4(2730.76,1211.76) C126.2@2772,1253 ; C126.2@2803.15,1253.94 C42.2@2923.23,1253.94
  L8_S4 w10: C58.2@2241,1522.53 v4(2298.89,1522.53) 2345.36,1522.53 2367.19,1544.35 L4.1@2429.87,1544.35 ; C101.2@2361.73,1908.69 2381.89,1928.84 v1(2381.89,1929.13) ; C100.2@2364.33,1984.94 v1@2380.77,1968.5 ; v1@2381.33,2046.69 v1(2381.89,2047.24) C102.2@2398.33,2063.69
1V5: C34.2 C35.2 C60.2 C91.2 C124.2 C125.2 J1.C27 J1.C28 J1.C31 J1.C32 J1.D27 J1.D28 J1.D31 J1.D32 R7.2 R8.2 U1.C7 U2.C7 U3.5 U3.6 U3.7 U3.8 U3.11 U9.5 U9.6 U9.7 U9.8 U9.11 | length 5626.5
  L1_S1 w5: v1(1003.94,2047.24) U1.C7@1023.62,2066.93 ; R7.2@2062.99,677.17 R8.2@2102.36,677.17 2219.83,677.17 2304.29,592.71 v1(2304.29,428.29) ; v1(2145.67,2047.24) U2.C7@2165.35,2066.93 ; v2(2492.13,1094.49) 2507.87,1078.74 U3.11@2507.87,1000.98 ; U9.11@3056.1,1043.31 3068.69,1043.31 3094,1018 v2@3094,1005
  L1_S1 w10: U3.5@2507.87,810.04 C34.2@2608.27,810.04 ; U3.6@2552.17,854.33 2608.27,854.33 ; U3.7@2552.17,879.92 2608.27,879.92 ; U3.8@2552.17,905.51 2608.27,905.51 2608.27,879.92 ; C34.2@2608.27,771.65 2608.27,854.33 ; C34.2@2624.02,787.4 C34.2@2624.02,816.93 ; C35.2@2629.92,854.33 2608.27,854.33 ; C125.2@2817.63,986.31 2863.84,986.31 ; U9.5@2865.16,1043.31 2865.16,961.84 2866.37,960.63 2909.45,960.63 ; C124.2@2909.45,913.39 U9.6@2909.45,999.02 ; C124.2@2935.04,913.39 U9.7@2935.04,999.02 ; C124.2@2960.63,913.39 U9.8@2960.63,999.02 ; 2608.27,854.33 2608.27,879.92
  L1_S1 w20: C34.2@2606.3,773.62 C34.2@2608.27,771.65 v4(2608.27,687.01) ; v4(2850.39,913.39) C124.2@2935.04,913.39
  L3_S2 w10: v2@764.07,1691.93 v2(758,1698) 777,1679 1775,1679 v2(1795,1699) 1797,1697 v2(2504,1697)
  L6_S3 w10: v2(2492.13,1094.49) 2513,1115.36 2513,1689 2503,1699 2503,1698 v2(2504,1697)
  L8_S4 w6: v1(2304.29,428.29) J1.C27@2304.29,486.5 ; v1(2329.29,428.29) J1.C28@2329.29,486.5 ; J1.C31@2454.29,486.5 v1(2454.29,544.71) ; J1.C32@2479.29,486.5 v1(2479.29,544.71) ; v1(3144.29,428.29) J1.D27@3144.29,486.5 ; v1(3169.29,428.29) J1.D28@3169.29,486.5 ; J1.D31@3294.29,486.5 v1(3294.29,544.71) ; J1.D32@3319.29,486.5 v1(3319.29,544.71)
  L8_S4 w10: v2@757,1698 757,1936 851.69,2030.69 C60.2@976,2030.69 ; C60.2@977.27,2029.69 994.83,2047.25 v1(1003.94,2047.24) ; v2@1796,1698 1796,1752.69 2072.99,2029.69 2119,2029.69 2136.56,2047.24 v1(2145.67,2047.24)
  other v2: 3094,1006
1V8: C43.2 C47.2 C73.2 C94.2 L2.1 L5.1 R5.2 U4.1 U4.18 U4.19 U4.20 | length 950.4
  L1_S1 w5: C73.2@3265.75,1751.97 3326.77,1751.97 3362.2,1787.4 R5.2@3381.89,1787.4
  L1_S1 w10: U4.1@3193.9,1618.11 3193.9,1644.69 3211.61,1662.4 U4.20@3238.19,1662.4
  L1_S1 w12: U4.20@3238.19,1662.4 C73.2@3238.19,1728.62 ; U4.19@3263.78,1662.4 C73.2@3263.78,1732.28 ; U4.18@3289.37,1662.4 C73.2@3289.37,1732.28
  L1_S1 w20: v4(3045.28,1750) C43.2@3135.83,1750 3137.8,1751.97 C73.2@3265.75,1751.97
  L8_S4 w10: L2.1@1771.39,2419.87 1843.55,2419.87 C47.2@1849.43,2413.99 v4(1904.14,2413.99) ; v4(2912.53,2587.82) C94.2@2912.53,2517.2 2956.36,2473.37 L5.1@2956.36,2427.09
2V5: C141.2 C145.2 C146.2 L11.1 R67.2 U8.6 U10.1 U10.18 U10.19 U10.20 | length 1614.6
  L1_S1 w12: R67.2@3082,2732.75 3082,2708 3096.85,2693.15 C145.2@3183,2693.15 ; L11.1@3130.59,2074.96 v2(3173.96,2074.96) ; v2(3222,2047) 3222.04,2046.96 C141.2@3252.7,2046.96 3251.18,2048.48 U8.6@3251.18,2125 ; U10.18@3275.32,2769.53 3275.32,2693.83 C146.2@3276,2693.15 ; C146.2@3300.91,2709.24 U10.19@3300.91,2769.53 ; C146.2@3326.5,2702.65 U10.20@3326.5,2769.53 3326.81,2769.21 3370.79,2769.21 U10.1@3370.79,2813.82
  L1_S1 w20: C145.2@3183,2693.15 C146.2@3276,2693.15 ; C146.2@3317,2693.15 v4(3406.15,2693.15)
  L3_S2 w12: v2@3220,2047 v2(3222,2047)
  L8_S4 w12: v2(3173.96,2074.96) 3194.04,2074.96 v2(3222,2047)
  L8_S4 w20: v2(3222,2047) 3248,2073 3248,2656 3285.15,2693.15 v4(3406.15,2693.15)